# KiCad board CONEPROJ.kicad_pcb (continued)
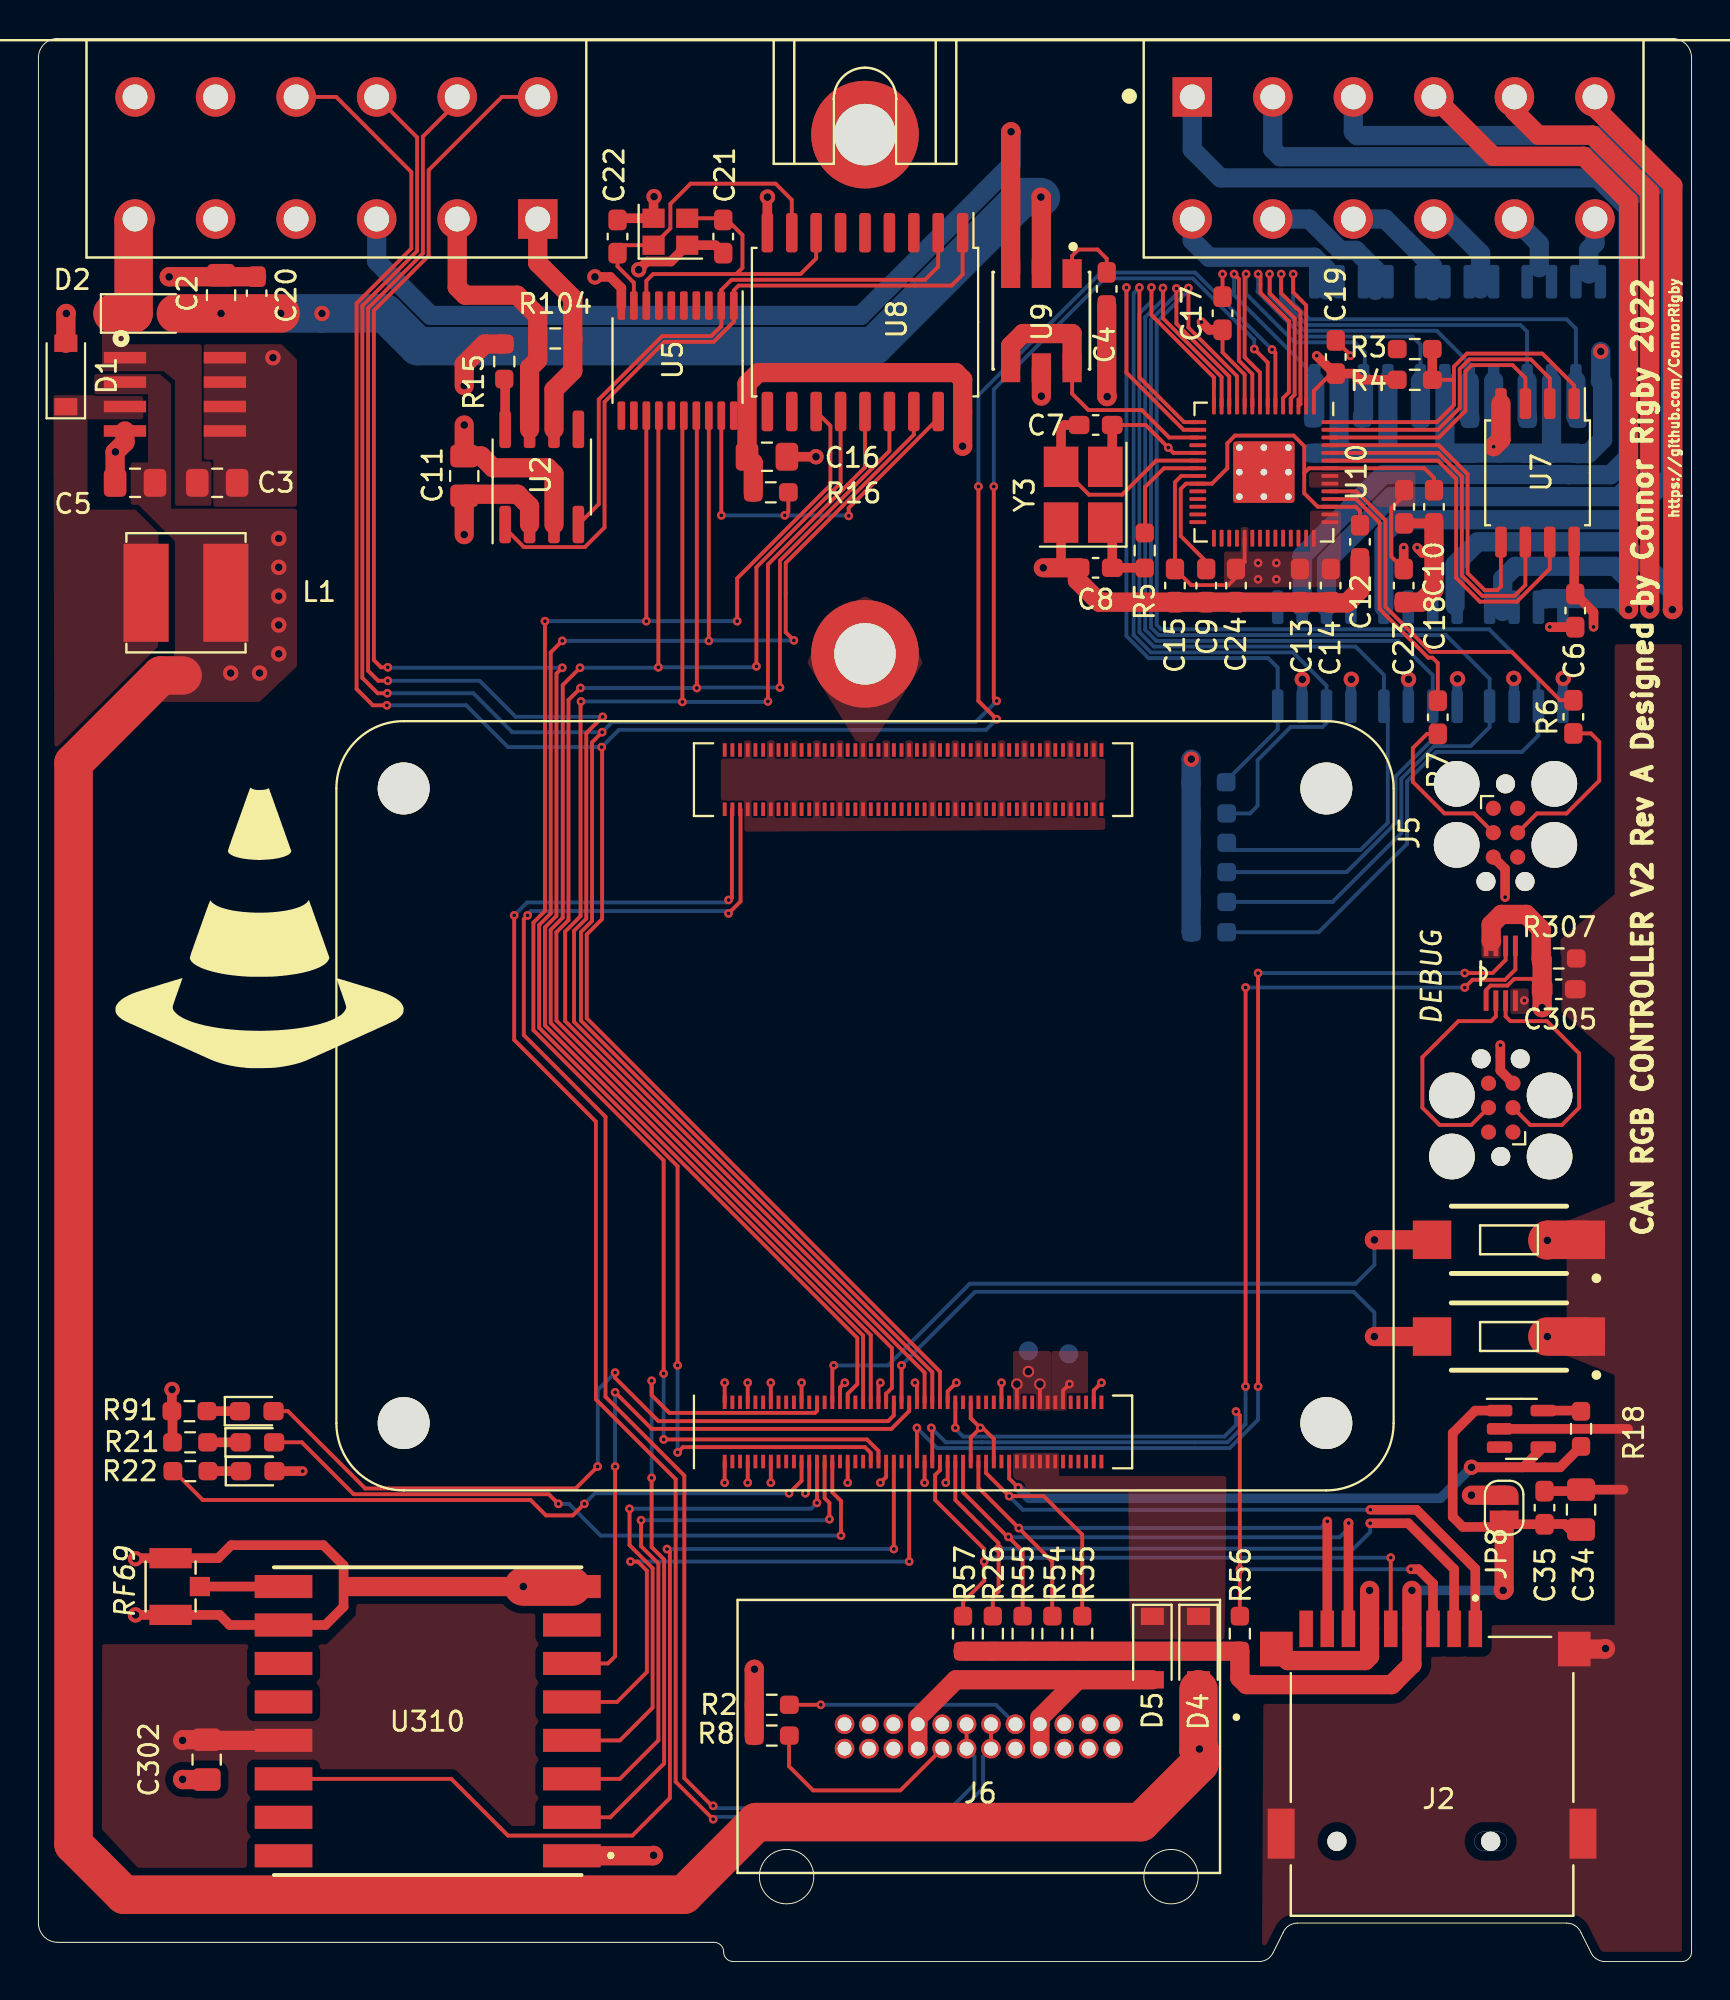
[diagram p0: board, top side]
## Text on the board (continued)
F.Silkscreen: https://github.com/ConnorRigby | RF69 | DEBUG | CAN RGB CONTROLLER V2 Rev A Designed by Connor Rigby 2022
